# Altium PCB IOBoard2020.PcbDoc (part 2 of 2)
Units mil, origin at the board's own origin, x right, y up, seen from the top; angles counter-clockwise.
Board outline 3010.03 x 3010.03 mil, 4 copper layers (Top Layer, Int1 (PWR), Int2 (GND), Bottom Layer), stack 53.912 mil thick; 153 components, 123 nets, 584 pads, 58 vias.
Unrouted connection lines stored in the file: 328.
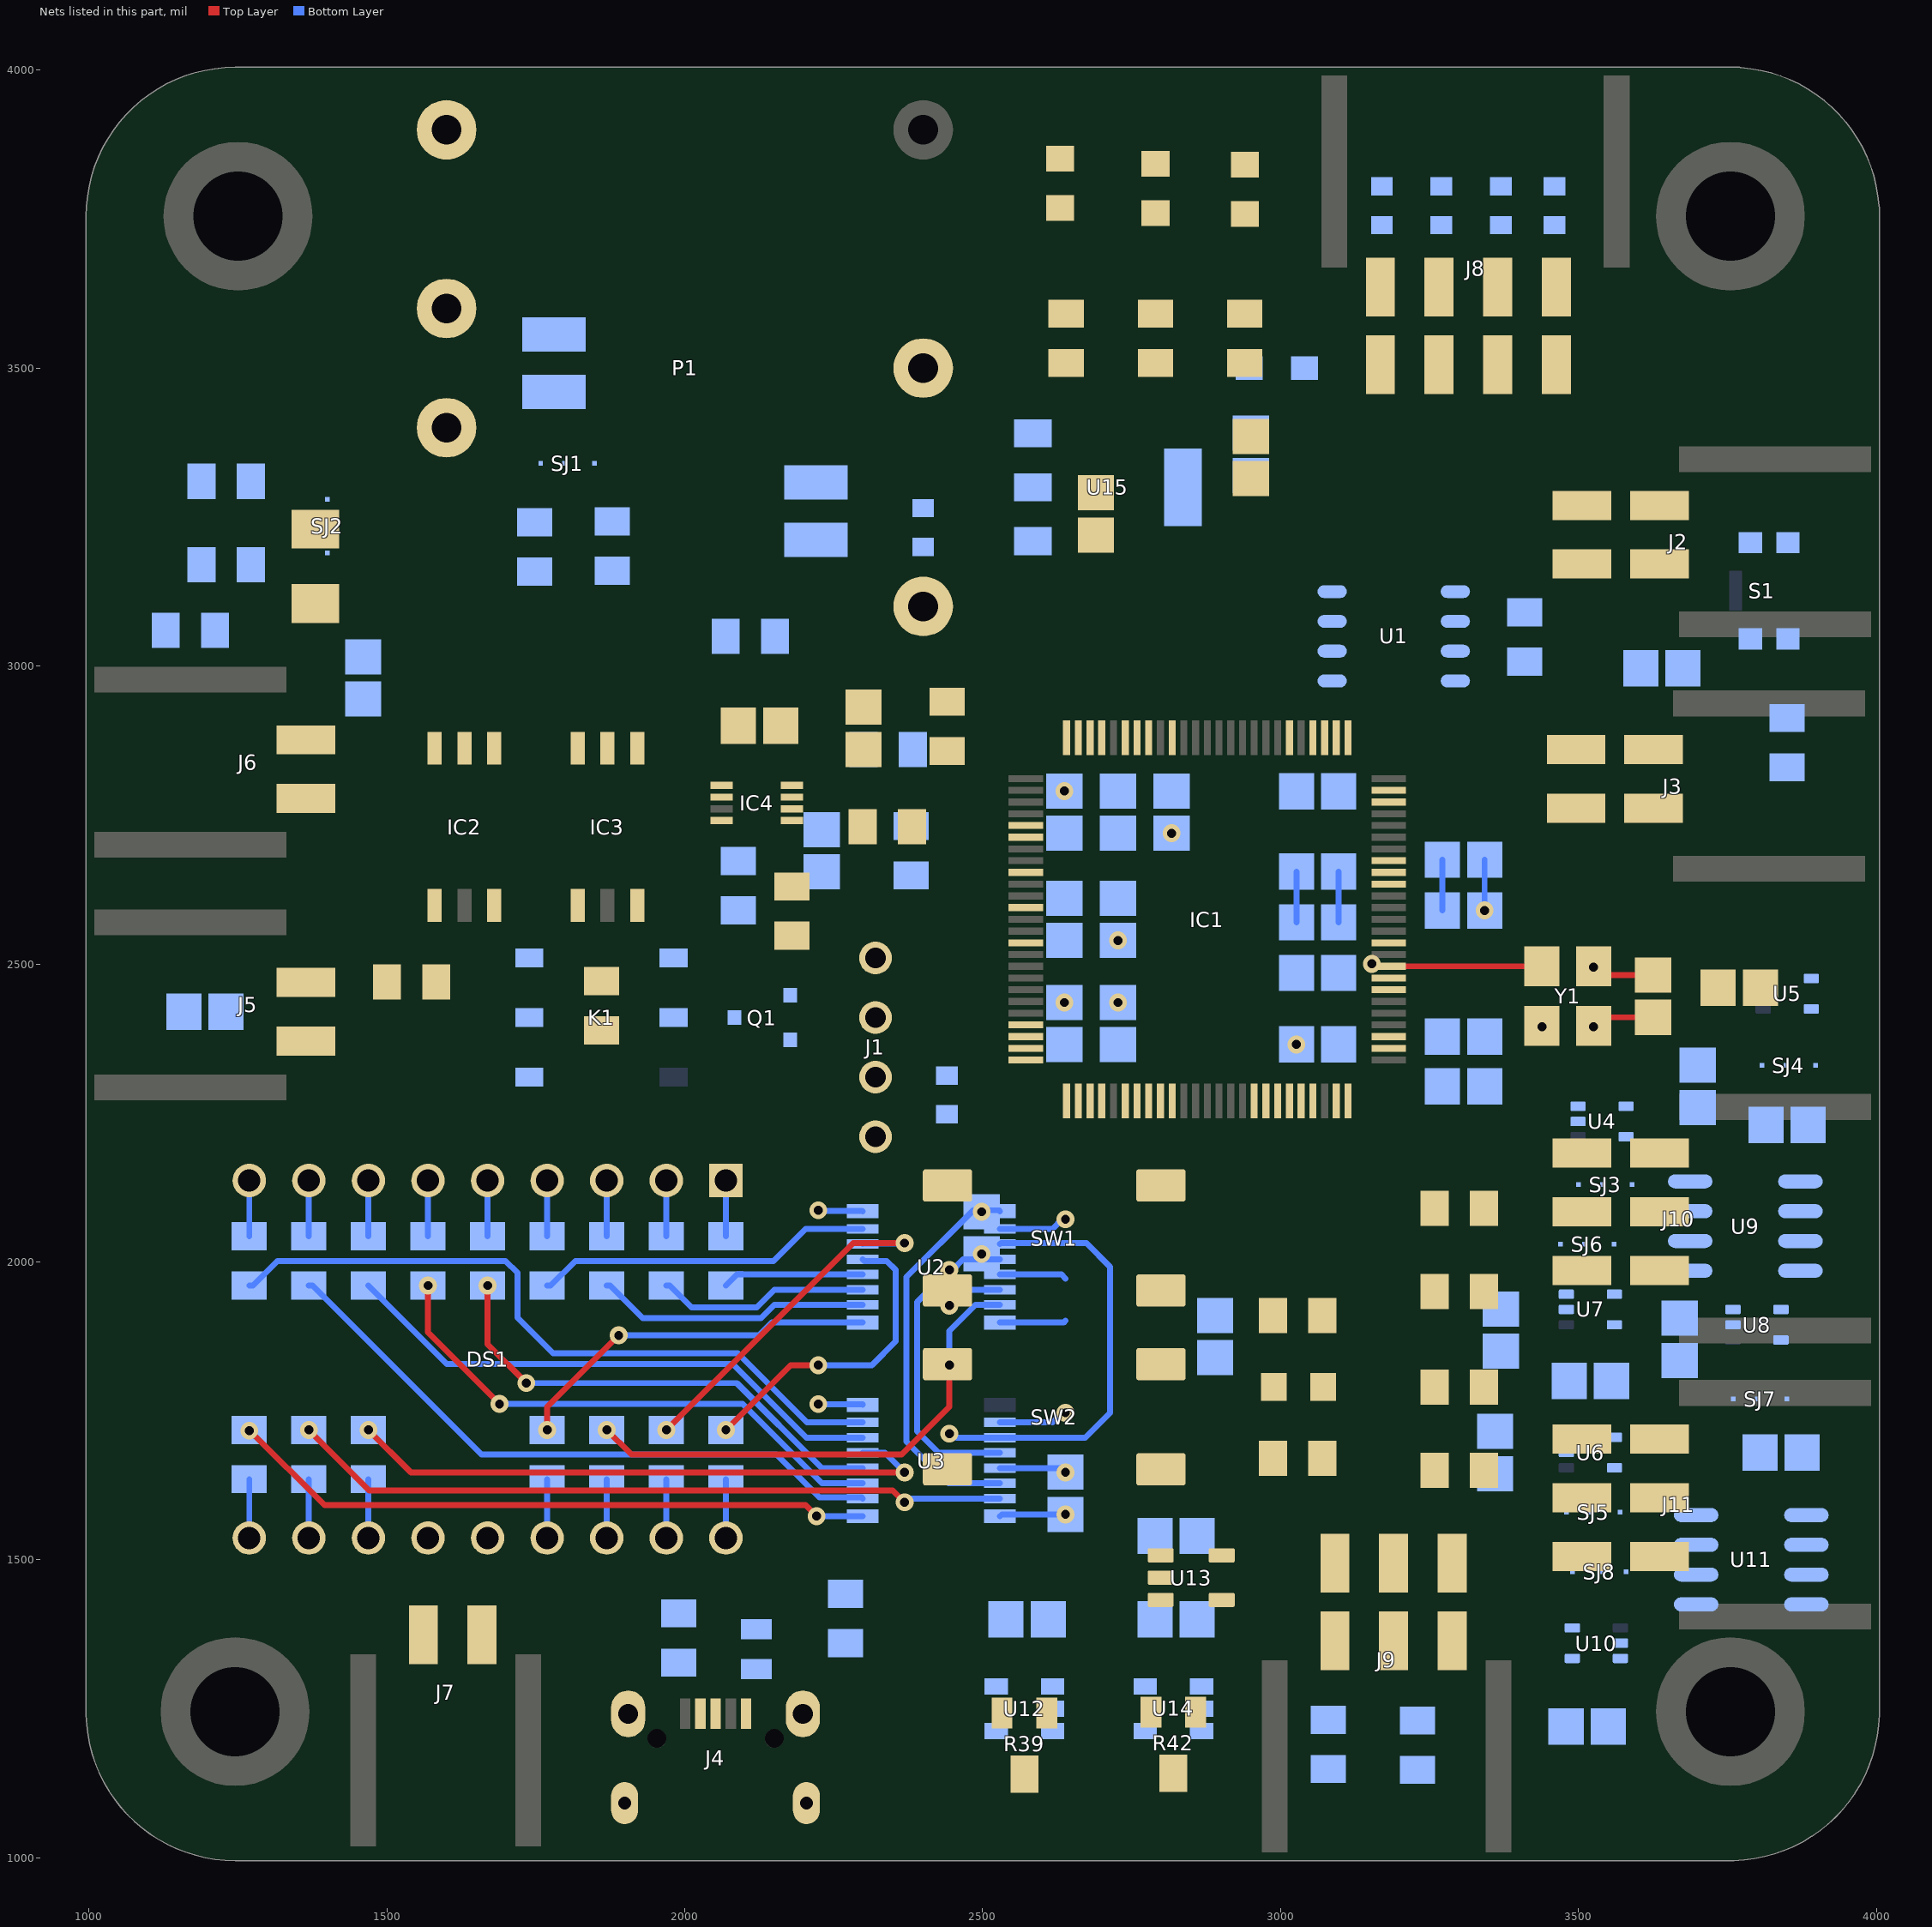
[diagram p4: the nets of this part, all layers, seen from the top]

## Part data (continued)
J4: library part CMP-1502-03252-1, "Micro USB 2.0 Type B Receptacle WR-COM, Horizontal, SMT, with Pegs, High Current at Pin 1 & Pin 5", Contact Resistance=30mOhm, Manufacturer="Wurth Elektronik", Operating Temperature=-40to85degC, Rated Current=3A, Working Voltage=30VAC, Connector Type=MicroUSB2.0TypeB, Datasheet URL=https://katalog.we-online.de/em/datasheet/629105150521.pdf, Gender=Receptacle, Manufacturer URL=http://www.we-online.de, Mounting Technology=SMT, Orientation=Horizontal, Package Reference=629105150521, Packaging=TapeandReel, Part Number=629105150521, Publisher=WurthElektronik
J5 J6 J7: "Nano-Fit Right-Angle Header, Surface Mount, 2.50mm Pitch, Single Row, 2 Circuits, 0.76µm Tin (Sn) Plating, Black, Glow-Wire Capable", Manufacturer=Molex, ComponentLink2Description=Datasheet, ComponentLink2URL=https://www.molex.com/webdocs/datasheets/pdf/en-us/1054301102_PCB_HEADERS.pdf, Mounting Technology="Surface Mount", Orientation=Right, Part Number=1054301102, Pitch="2.5 mm"
J8: "Nano-Fit Right-Angle Header, Surface Mount, 2.50mm Pitch, Dual Row, 8 Circuits, 0.76µm Tin (Sn) Plating, Black, Glow-Wire Capable", Manufacturer=Molex, Part Number=1053141108, ComponentLink2Description=Datasheet, ComponentLink2URL=https://www.molex.com/webdocs/datasheets/pdf/en-us/1054051108_PCB_HEADERS.pdf, Mounting Technology="Surface Mount", Orientation=Right, Pitch=2.5mm
J9 J10 J11: "Nano-Fit Right-Angle Header, Surface Mount, 2.50mm Pitch, Dual Row, 6 Circuits, 0.76µm Tin (Sn) Plating, Black, Glow-Wire Capable", Manufacturer=Molex, ComponentLink2Description=Datasheet, ComponentLink2URL=https://www.molex.com/webdocs/datasheets/pdf/en-us/1054051106_PCB_HEADERS.pdf, Mounting Technology="Surface Mount", Orientation=Right, Part Number=1054051106, Pitch="2.5 mm"
K1: "Relay or Contactor", Manufacturer_Name="Omron Electronics", Mouser Part Number=653-G3VM-101HR1, Arrow Part Number=G3VM-101HR1, Arrow Price/Stock=https://www.arrow.com/en/products/g3vm-101hr1/omron, Datasheet Link=https://componentsearchengine.com/Datasheets/1/G3VM-101HR1.pdf, Height=2.1mm, Manufacturer_Part_Number=G3VM-101HR1, Mouser Price/Stock=https://www.mouser.com/Search/Refine.aspx?Keyword=653-G3VM-101HR1
L1: library part CMP-0220-00025-1, "SMD EMI Suppression Ferrite Bead WE-CBF, Z = 300 Ohm", ComponentLink1Description="Manufacturer Link", ComponentLink1URL=http://www.we-online.com, ComponentLink2Description=Datasheet, ComponentLink2URL=http://www.we-online.de/katalog/media/pdf/742792031.pdf, DatasheetVersion=Dec-2005, Impedance="300 Ohm", PackageDescription="Chip Inductor, 2-Leads, Body 2.0 x 1.2 mm", PackageReference=SMD-0805, PackageVersion=2005
LED1 LED2: library part CMP-62016-000032-1, "LED RED DIFFUSED 0805 SMD", Forward Current=30mA, Forward Voltage=2.6V, Max Operating Temperature=85°C, Min Operating Temperature=-30°C, Reverse Voltage=5V, Test Current=20mA, Depth=1.35mm, Dominant Wavelength=645nm, Length=2.1mm, Lens Style=Diffused, Luminous Intensity=15mcd, Mount="Surface Mount", Number of Elements=1, Number of Pins=2, Packaging="Tape and Reel", Radiation Hardening=No, Viewing Angle=160°
LED3: library part CMP-1426-00008-1, "SMD mono-color Chip LED, WL-SMCW, Blue", Color=Blue, Manufacturer="Wuerth Elektronik", ComponentLink1Description="Manufacturer URL", ComponentLink1URL=http://www.we-online.com, ComponentLink2Description=Datasheet, ComponentLink2URL=http://katalog.we-online.com/led/datasheet/150080BS75000.pdf, PackageReference=0805_A, PartNumber=150080BS75000
LED4: library part CMP-2000-05655-1, "Single Color, 2 V, -30 to 85 degC, 2-Pin SMD (0805), RoHS, Tape and Reel", Emitting Color=YellowGreen, Forward Current=25mA, Forward Voltage=2.4V, Manufacturer=Dialight, Operating Temp Range=-30Cto85C, Operating Temperature Classification=Commercial, Package Description="2-Pin Surface Mount Device, Body 2 x 1.25 mm", Package Reference=0805, Package Type=SMD, Power Dissipation=60W, Reverse Voltage=5V, Test Current (It)=20mA, Chip Material=GaP, Datasheet URL=https://datasheet.ciiva.com/22748/1484480-22748121.pdf, Datasheet Version=10/2008, DELETED=Compliant, Dominant Wave Length=570nm, High Brightness=No, Lens Dimensions=1.4x1.25x0.4mm, Lum Intensity=20mcd, Luminous Intensity=20mcd, Main Category=ChipLED, Manufacturer URL=http://www.dialight.com/, Mounting=SurfaceMount, Mounting Technology=SurfaceMount, Number of  Elements=1, Packaging=TapeandReel, Pin Count=2, Product Depth (mm)=1.25mm, Product Height (mm)=0.7mm, Product Length (mm)=2mm, Rad Hardened=No, Shape Type=Rectangular, Type=Uni-Color, Viewing Angle=140deg
MH1 MH2 MH3 MH4: library part "Mounting Hole", "Mounting Hole for 1/8\"-20 Thread Size, 1-1/8\" Long Black-Oxide Alloy Steel Socket Head Screw", Screw Specs=https://www.mcmaster.com/91251A560/
P1: "DC Converter 2 Output 5V -5V 1.5A, 1.5A 9V - 36V Input", Digi-Key Part Number=811-2180-5-ND, Manufacturer=Murata, Datasheet=https://www.murata.com/products/productdata/8807024656414/bei15.pdf?1583754810000, Model=BEI15-050-Q12N-C
Q1: "MOSFET (N-Channel)", Manufacturer_Name=Toshiba, Mouser Part Number=757-SSM3K339RLF, Arrow Part Number=SSM3K339R,LF, Arrow Price/Stock=https://www.arrow.com/en/products/ssm3k339rlf/toshiba, Datasheet Link=https://www.arrow.com/en/products/ssm3k339rlf/toshiba, Height=0.88mm, Manufacturer_Part_Number=SSM3K339R,LF, Mouser Price/Stock=https://www.mouser.co.uk/ProductDetail/Toshiba/SSM3K339RLF?qs=vPP9GyyTAo2h4IM%252B%252BLvR%252BA%3D%3D
R1 R2 R4 R5 R35 R37 R40 R41 R43: library part CMP-009-00001-4, "Chip Resistor, 10k Ohm, +/- 1%, 125 mW, -55 to 155 degC, 0805 (2012 Metric)", Case Code (Imperial)=0805, Case Code (Metric)=2012, Manufacturer=Yageo, Manufacturer Part Number=RC0805FR-0710KL, Max Operating Temperature=155°C, Max Power Dissipation=125mW, Min Operating Temperature=-55°C, Package Quantity=1, Resistance=10kR, Supplier Part Number 1=311-10.0KCRCT-ND, Temperature Coefficient=100ppm/°C, Tolerance=1%, Voltage Rating=150V, Case/Package=0805, Category="Chip SMD Resistors", ComponentLink1Description=https://datasheet.ciiva.com/11808/0900766b8106beab-11808151.pdf?src-supplier=RSComponents, ComponentLink1URL=https://datasheet.ciiva.com/11808/0900766b8106beab-11808151.pdf?src-supplier=RSComponents, ComponentLink2Description=https://datasheet.ciiva.com/12669/rc0805-12669688.pdf?src-supplier=Mouser, ComponentLink2URL=https://datasheet.ciiva.com/12669/rc0805-12669688.pdf?src-supplier=Mouser, ComponentLink3Description=https://datasheet.ciiva.com/46447/444164-46447563.pdf?src-supplier=Element14, ComponentLink3URL=https://datasheet.ciiva.com/46447/444164-46447563.pdf?src-supplier=Element14, ComponentLink4Description=https://datasheet.ciiva.com/2456/pyu-r-int-thick-7-2456972.pdf?src-supplier=Digi-Key, ComponentLink4URL=https://datasheet.ciiva.com/2456/pyu-r-int-thick-7-2456972.pdf?src-supplier=Digi-Key, ComponentLink5Description=https://datasheet.ciiva.com/2456/pyu-r-int-thick-7-2456973.pdf?src-supplier=Digi-Key, ComponentLink5URL=https://datasheet.ciiva.com/2456/pyu-r-int-thick-7-2456973.pdf?src-supplier=Digi-Key, ComponentLink6Description=https://datasheet.ciiva.com/2456/pyu-r-int-thick-7-2456974.pdf?src-supplier=Digi-Key, ComponentLink6URL=https://datasheet.ciiva.com/2456/pyu-r-int-thick-7-2456974.pdf?src-supplier=Digi-Key, ComponentLink7Description=https://datasheet.ciiva.com/16747/rc0805-16747087.pdf?src-supplier=Future+Electronics, ComponentLink7URL=https://datasheet.ciiva.com/16747/rc0805-16747087.pdf?src-supplier=Future+Electronics, Composition="Thick Film", Depth=1.25mm, Features="Moisture Resistant", Height=0.024inch, Lead Free="Lead Free", Length=2mm, Military Standard=Not, Number of Terminations=2, Packaging="Tape and Reel", Power Rating=125mW, Pricing 1="1=0.10000, 10=0.03900, 100=0.01570, 1000=0.00705, 2500=0.00612 (USD)", REACH SVHC=Unknown, RoHS=Yes, Stock 1=19063106, Supplier 1=Digi-Key, Termination=SMD/SMT, Width=0.049inch
R3: library part CMP-009-00001-4, "Chip Resistor, 120 Ohm, +/- 1%, 125 mW, -55 to 155 degC, 0805 (2012 Metric)", Case Code (Imperial)=0805, Case Code (Metric)=2012, Manufacturer="TE Connectivity", Manufacturer Part Number=CRGCQ0805F120R, Max Operating Temperature=155°C, Max Power Dissipation=125mW, Min Operating Temperature=-55°C, Resistance=120R, Supplier Part Number 1=A129738CT-ND, Temperature Coefficient=100ppm/°C, Tolerance=1%, Case/Package=0805, ComponentLink1Description=https://www.te.com/commerce/DocumentDelivery/DDEController?Action=srchrtrv&amp;DocNm=1773204-3&amp;DocType=DS&amp;DocLang=English&src-supplier=Digi-Key, ComponentLink1URL=https://www.te.com/commerce/DocumentDelivery/DDEController?Action=srchrtrv&amp;DocNm=1773204-3&amp;DocType=DS&amp;DocLang=English&src-supplier=Digi-Key, ComponentLink2Description=https://4donline.ihs.com/images/VipMasterIC/IC/TYEL/TYEL-S-A0004929575/TYEL-S-A0004929575-1.pdf?hkey=52A5661711E402568146F3353EA87419&src-supplier=Element14, ComponentLink2URL=https://4donline.ihs.com/images/VipMasterIC/IC/TYEL/TYEL-S-A0004929575/TYEL-S-A0004929575-1.pdf?hkey=52A5661711E402568146F3353EA87419&src-supplier=Element14, ComponentLink3Description=https://4donline.ihs.com/images/VipMasterIC/IC/TYEL/TYEL-S-A0004929575/TYEL-S-A0004929575-1.pdf?hkey=52A5661711E402568146F3353EA87419&src-supplier=Newark, ComponentLink3URL=https://4donline.ihs.com/images/VipMasterIC/IC/TYEL/TYEL-S-A0004929575/TYEL-S-A0004929575-1.pdf?hkey=52A5661711E402568146F3353EA87419&src-supplier=Newark, ComponentLink4Description=https://4donline.ihs.com/images/VipMasterIC/IC/TYEL/TYEL-S-A0004929575/TYEL-S-A0004929575-1.pdf?hkey=52A5661711E402568146F3353EA87419&src-supplier=Farnell, ComponentLink4URL=https://4donline.ihs.com/images/VipMasterIC/IC/TYEL/TYEL-S-A0004929575/TYEL-S-A0004929575-1.pdf?hkey=52A5661711E402568146F3353EA87419&src-supplier=Farnell, ComponentLink5Description=http://datasheet.octopart.com/CRGCQ0805F120R-TE-Connectivity-datasheet-114679081.pdf?src-supplier=Master+Electronics, ComponentLink5URL=http://datasheet.octopart.com/CRGCQ0805F120R-TE-Connectivity-datasheet-114679081.pdf?src-supplier=Master+Electronics, ComponentLink6Description=http://sigma.octopart.com/114695583/technical_drawing/TE-Connectivity-CRGCQ0805F120R.pdf?src-supplier=Sager+Electronics, ComponentLink6URL=http://sigma.octopart.com/114695583/technical_drawing/TE-Connectivity-CRGCQ0805F120R.pdf?src-supplier=Sager+Electronics, Composition="Thick Film", Features="Moisture Resistant", Number of Terminations=2, Packaging="Tape and Reel", Pricing 1="1=0.10000, 10=0.04700, 100=0.01890, 1000=0.00851, 2500=0.00738 (USD)", Stock 1=52253, Supplier 1=Digi-Key
R6 R47 R48: library part CMP-009-00001-4, "Chip Resistor, 100k Ohm, +/- 1%, 125 mW, -55 to 155 degC, 0805 (2012 Metric)", Case Code (Imperial)=0805, Case Code (Metric)=2012, Manufacturer=Yageo, Manufacturer Part Number=RC0805FR-07100KL, Max Operating Temperature=155°C, Max Power Dissipation=125mW, Min Operating Temperature=-55°C, Package Quantity=1, Resistance=100kR, Supplier Part Number 1=311-100KCRCT-ND, Temperature Coefficient=100ppm/°C, Tolerance=1%, Voltage Rating=150V, Case/Package=0805, Category="Chip SMD Resistors", ComponentLink1Description=https://datasheet.ciiva.com/11808/0900766b8106beab-11808858.pdf?src-supplier=RSComponents, ComponentLink1URL=https://datasheet.ciiva.com/11808/0900766b8106beab-11808858.pdf?src-supplier=RSComponents, ComponentLink2Description=https://datasheet.ciiva.com/2457/pyu-r-int-thick-7-2457017.pdf?src-supplier=Digi-Key, ComponentLink2URL=https://datasheet.ciiva.com/2457/pyu-r-int-thick-7-2457017.pdf?src-supplier=Digi-Key, ComponentLink3Description=https://datasheet.ciiva.com/12667/rc0805-12667001.pdf?src-supplier=Mouser, ComponentLink3URL=https://datasheet.ciiva.com/12667/rc0805-12667001.pdf?src-supplier=Mouser, ComponentLink4Description=https://datasheet.ciiva.com/2457/pyu-r-int-thick-7-2457018.pdf?src-supplier=Digi-Key, ComponentLink4URL=https://datasheet.ciiva.com/2457/pyu-r-int-thick-7-2457018.pdf?src-supplier=Digi-Key, ComponentLink5Description=https://datasheet.ciiva.com/16747/rc0805-16747226.pdf?src-supplier=Future+Electronics, ComponentLink5URL=https://datasheet.ciiva.com/16747/rc0805-16747226.pdf?src-supplier=Future+Electronics, ComponentLink6Description=https://datasheet.ciiva.com/2457/pyu-r-int-thick-7-2457019.pdf?src-supplier=Digi-Key, ComponentLink6URL=https://datasheet.ciiva.com/2457/pyu-r-int-thick-7-2457019.pdf?src-supplier=Digi-Key, ComponentLink7Description=https://datasheet.ciiva.com/7660/38627-7660796.pdf?src-supplier=Element14, ComponentLink7URL=https://datasheet.ciiva.com/7660/38627-7660796.pdf?src-supplier=Element14, ComponentLink8Description=https://datasheet.ciiva.com/7941/1697719-7941676.pdf?src-supplier=Element14, ComponentLink8URL=https://datasheet.ciiva.com/7941/1697719-7941676.pdf?src-supplier=Element14, ComponentLink9Description=https://datasheet.ciiva.com/7941/1686128-7941677.pdf?src-supplier=Element14, ComponentLink9URL=https://datasheet.ciiva.com/7941/1686128-7941677.pdf?src-supplier=Element14, ComponentLink10Description=https://datasheet.ciiva.com/7941/1697719-7941678.pdf?src-supplier=Element14, ComponentLink10URL=https://datasheet.ciiva.com/7941/1697719-7941678.pdf?src-supplier=Element14, ComponentLink11Description=https://datasheet.ciiva.com/22747/444164-22747534.pdf?src-supplier=Element14, ComponentLink11URL=https://datasheet.ciiva.com/22747/444164-22747534.pdf?src-supplier=Element14, Composition="Thick Film", Depth=1.25mm, Features="Moisture Resistant", Height=0.024inch, Lead Free="Lead Free", Lead Pitch=0.4mm, Length=2mm, Military Standard=Not, Number of Pins=2, Number of Terminations=2, Packaging="Tape and Reel", Power Rating=125mW, Pricing 1="1=0.10000, 10=0.03900, 100=0.01570, 1000=0.00705, 2500=0.00612 (USD)", REACH SVHC=Unknown, RoHS=Yes, Stock 1=3716407, Supplier 1=Digi-Key, Termination=SMD/SMT, Voltage Rating (DC)=150V, Width=0.049inch
R7 R8 R9 R10 R11 R12 R13 R14 R15 R16 R17 R18 R19 R20 R21 R22: library part CMP-009-00001-4, "Chip Resistor, 240 Ohm, +/- 1%, 125 mW, -55 to 155 degC, 0805 (2012 Metric)", Case Code (Imperial)=0805, Case Code (Metric)=2012, Manufacturer=Panasonic, Manufacturer Part Number=ERA-6AEB241V, Max Operating Temperature=155°C, Max Power Dissipation=125mW, Min Operating Temperature=-55°C, Package Quantity=1, Resistance=240R, Supplier Part Number 1=P240DACT-ND, Temperature Coefficient=25ppm/°C, Tolerance=0.1%, Voltage Rating=100V, Case/Package=0805, Category="Chip SMD Resistors", ComponentLink1Description=https://datasheet.ciiva.com/29184/452815-da-01-en-widerstand-0805-era-29184072.pdf?src-supplier=Conrad, ComponentLink1URL=https://datasheet.ciiva.com/29184/452815-da-01-en-widerstand-0805-era-29184072.pdf?src-supplier=Conrad, ComponentLink2Description=https://datasheet.ciiva.com/5915/485442-5915205.pdf?src-supplier=Farnell, ComponentLink2URL=https://datasheet.ciiva.com/5915/485442-5915205.pdf?src-supplier=Farnell, ComponentLink3Description=https://datasheet.ciiva.com/43455/485442-43455397.pdf?src-supplier=Farnell, ComponentLink3URL=https://datasheet.ciiva.com/43455/485442-43455397.pdf?src-supplier=Farnell, ComponentLink4Description=https://datasheet.ciiva.com/30154/54aoa0000ce26-30154486.pdf?src-supplier=Onlinecomponents.com, ComponentLink4URL=https://datasheet.ciiva.com/30154/54aoa0000ce26-30154486.pdf?src-supplier=Onlinecomponents.com, ComponentLink5Description=https://datasheet.ciiva.com/48425/era-eng-tds-48425782.pdf?src-supplier=Distrelec, ComponentLink5URL=https://datasheet.ciiva.com/48425/era-eng-tds-48425782.pdf?src-supplier=Distrelec, ComponentLink6Description=https://datasheet.ciiva.com/5915/485442-5915208.pdf?src-supplier=Farnell, ComponentLink6URL=https://datasheet.ciiva.com/5915/485442-5915208.pdf?src-supplier=Farnell, ComponentLink7Description=https://datasheet.ciiva.com/46389/485442-46389960.pdf?src-supplier=Element14, ComponentLink7URL=https://datasheet.ciiva.com/46389/485442-46389960.pdf?src-supplier=Element14, ComponentLink8Description=https://datasheet.ciiva.com/46389/485442-46389961.pdf?src-supplier=Element14, ComponentLink8URL=https://datasheet.ciiva.com/46389/485442-46389961.pdf?src-supplier=Element14, ComponentLink9Description=https://datasheet.ciiva.com/48536/era-eng-tds-48536634.pdf?src-supplier=Distrelec, ComponentLink9URL=https://datasheet.ciiva.com/48536/era-eng-tds-48536634.pdf?src-supplier=Distrelec, ComponentLink10Description=https://datasheet.ciiva.com/22739/485442-22739483.pdf?src-supplier=Element14, ComponentLink10URL=https://datasheet.ciiva.com/22739/485442-22739483.pdf?src-supplier=Element14, ComponentLink11Description=https://datasheet.ciiva.com/17206/aoa0000ce26-17206700.pdf?src-supplier=Avnet+Europe, ComponentLink11URL=https://datasheet.ciiva.com/17206/aoa0000ce26-17206700.pdf?src-supplier=Avnet+Europe, ComponentLink12Description=https://datasheet.ciiva.com/43457/485442-43457869.pdf?src-supplier=Farnell, ComponentLink12URL=https://datasheet.ciiva.com/43457/485442-43457869.pdf?src-supplier=Farnell, Composition="Thin Film", Contact Plating=Tin, Depth=1.25mm, Features="Automotive AEC-Q200", Height=0.5mm, Lead Free="Lead Free", Length=2mm, Military Standard=Not, Mount="Surface Mount", Number of Pins=2, Number of Terminations=2, Packaging="Tape and Reel", Power Rating=125mW, Pricing 1="1=0.33000, 10=0.27800, 100=0.10850, 1000=0.04541, 2500=0.04163 (USD)", Radiation Hardening=No, REACH SVHC="No SVHC", RoHS=Yes, Stock 1=12724, Supplier 1=Digi-Key, Termination=Solder, Voltage Rating (DC)=100V, Width=1.25mm
R23 R26 R28: library part CMP-009-00001-4, "Chip Resistor, 1.2k Ohm, +/- 1%, 125 mW, -55 to 155 degC, 0805 (2012 Metric)", Case/Package=0805, Max Operating Temperature=155°C, Min Operating Temperature=-55°C, Power=125mW, Tolerance=1%, Voltage Rating=150V, Mounting Technology=SM, Pins=2, RoHS Compliant=True
R24: library part CMP-009-00001-4, "Chip Resistor, 240 Ohm, +/- 1%, 125 mW, -55 to 155 degC, 0805 (2012 Metric)", Case/Package=0805, Max Operating Temperature=155°C, Min Operating Temperature=-55°C, Power=125mW, Tolerance=1%, Voltage Rating=150V, Mounting Technology=SM, Pins=2, RoHS Compliant=True
R25 R29 R30: library part CMP-009-00001-4, "Chip Resistor, 10k Ohm, +/- 1%, 125 mW, -55 to 155 degC, 0805 (2012 Metric)", Case/Package=0805, Max Operating Temperature=155°C, Min Operating Temperature=-55°C, Power=125mW, Tolerance=1%, Voltage Rating=150V, Mounting Technology=SM, Pins=2, RoHS Compliant=True
R27: library part CMP-009-00001-4, "Chip Resistor, 165 Ohm, +/- 1%, 125 mW, -55 to 155 degC, 0805 (2012 Metric)", Case/Package=0805, Max Operating Temperature=155°C, Min Operating Temperature=-55°C, Power=125mW, Tolerance=1%, Voltage Rating=150V, Mounting Technology=SM, Pins=2, RoHS Compliant=True
R31: library part CMP-009-00001-4, "Chip Resistor,1.5k Ohm, +/- 1%, 125 mW, -55 to 155 degC, 0805 (2012 Metric)", Case/Package=0805, Max Operating Temperature=155°C, Min Operating Temperature=-55°C, Power=125mW, Tolerance=1%, Voltage Rating=150V, Mounting Technology=SM, Pins=2, RoHS Compliant=True
R32: library part CMP-1013-00736-1, "100K 0.125W 1% 0805 (2012 Metric)  SMD", Case-EIA=0805, Case-Metric=2012, Power="0.125 W", Tolerance="1 %", Technology=SMT
R33: library part CMP-009-00001-4, "Chip Resistor, 22 Ohm, +/- 1%, 125 mW, -55 to 155 degC, 0805 (2012 Metric)", Case/Package=0805, Max Operating Temperature=155°C, Min Operating Temperature=-55°C, Power=125mW, Tolerance=1%, Voltage Rating=150V, Mounting Technology=SM, Pins=2, RoHS Compliant=True
R34 R36: library part CMP-009-00001-4, "Chip Resistor, 10k Ohm, +/- 1%, 125 mW, -55 to 155 degC, 0805 (2012 Metric)", Case Code (Imperial)=0805, Case Code (Metric)=2012, Manufacturer=Panasonic, Manufacturer Part Number=ERA-6AEB4991V, Max Operating Temperature=155°C, Max Power Dissipation=125mW, Min Operating Temperature=-55°C, Package Quantity=1, Resistance=4.99kR, Resistor Type="Thin Film,Metal Film", Supplier Part Number 1=P4.99KDACT-ND, Temperature Coefficient=25ppm/°C, Tolerance=0.1%, Voltage Rating=200V, Voltage Rating (DC)=100V, Case/Package=0805, Category="Chip SMD Resistors", ComponentLink1Description=https://datasheet.ciiva.com/11811/0900766b80eb1d8c-11811290.pdf?src-supplier=RSComponents, ComponentLink1URL=https://datasheet.ciiva.com/11811/0900766b80eb1d8c-11811290.pdf?src-supplier=RSComponents, ComponentLink2Description=https://datasheet.ciiva.com/26335/459226-da-01-en-widerstand-0805-era-26335808.pdf?src-supplier=Conrad, ComponentLink2URL=https://datasheet.ciiva.com/26335/459226-da-01-en-widerstand-0805-era-26335808.pdf?src-supplier=Conrad, ComponentLink3Description=https://datasheet.ciiva.com/43457/485442-43457400.pdf?src-supplier=Farnell, ComponentLink3URL=https://datasheet.ciiva.com/43457/485442-43457400.pdf?src-supplier=Farnell, ComponentLink4Description=https://datasheet.ciiva.com/24124/aoa0000ce26-197354-24124201.pdf?src-supplier=Mouser, ComponentLink4URL=https://datasheet.ciiva.com/24124/aoa0000ce26-197354-24124201.pdf?src-supplier=Mouser, ComponentLink5Description=https://datasheet.ciiva.com/6064/485442-6064426.pdf?src-supplier=Farnell, ComponentLink5URL=https://datasheet.ciiva.com/6064/485442-6064426.pdf?src-supplier=Farnell, ComponentLink6Description=https://datasheet.ciiva.com/6064/485442-6064427.pdf?src-supplier=Farnell, ComponentLink6URL=https://datasheet.ciiva.com/6064/485442-6064427.pdf?src-supplier=Farnell, ComponentLink7Description=https://datasheet.ciiva.com/17213/aoa0000ce26-17213069.pdf?src-supplier=Avnet+Europe, ComponentLink7URL=https://datasheet.ciiva.com/17213/aoa0000ce26-17213069.pdf?src-supplier=Avnet+Europe, ComponentLink8Description=https://datasheet.ciiva.com/46388/485442-46388221.pdf?src-supplier=Element14, ComponentLink8URL=https://datasheet.ciiva.com/46388/485442-46388221.pdf?src-supplier=Element14, ComponentLink9Description=https://datasheet.ciiva.com/22740/1776116-22740207.pdf?src-supplier=Element14, ComponentLink9URL=https://datasheet.ciiva.com/22740/1776116-22740207.pdf?src-supplier=Element14, ComponentLink10Description=https://datasheet.ciiva.com/46376/485442-46376911.pdf?src-supplier=Element14, ComponentLink10URL=https://datasheet.ciiva.com/46376/485442-46376911.pdf?src-supplier=Element14, Contact Plating=Tin, Depth=1.25mm, Features="Automotive AEC-Q200", Height=0.5mm, Lead Free="Lead Free", Length=2mm, Military Standard=Not, Mount="Surface Mount", Number of Pins=2, Number of Terminations=2, Packaging="Tape and Reel", Power Rating=125mW, Pricing 1="1=0.33000, 10=0.27800, 100=0.10850, 1000=0.04541, 2500=0.04163 (USD)", Radiation Hardening=No, REACH SVHC="No SVHC", RoHS=Yes, Stock 1=19262, Supplier 1=Digi-Key, Termination=SMD/SMT, Weight=0.000194oz, Width=1.25mm
R38: library part CMP-009-00001-4, "Chip Resistor, 10k Ohm, +/- 1%, 125 mW, -55 to 155 degC, 0805 (2012 Metric)", Case Code (Imperial)=0805, Case Code (Metric)=2012, Manufacturer=Panasonic, Manufacturer Part Number=ERA-6AEB750V, Max Operating Temperature=155°C, Max Power Dissipation=125mW, Min Operating Temperature=-55°C, Package Quantity=5000, Resistance=75R, Resistor Type="Thin Film", Supplier Part Number 1=P75DACT-ND, Temperature Coefficient=25ppm/°C, Tolerance=0.1%, Voltage Rating=100V, Case/Package=0805, Category="Chip SMD Resistors", ComponentLink1Description=https://datasheet.ciiva.com/29184/452659-da-01-en-widerstand-0805-era-29184043.pdf?src-supplier=Conrad, ComponentLink1URL=https://datasheet.ciiva.com/29184/452659-da-01-en-widerstand-0805-era-29184043.pdf?src-supplier=Conrad, ComponentLink2Description=https://datasheet.ciiva.com/5917/485442-5917734.pdf?src-supplier=Farnell, ComponentLink2URL=https://datasheet.ciiva.com/5917/485442-5917734.pdf?src-supplier=Farnell, ComponentLink3Description=https://datasheet.ciiva.com/48536/era-eng-tds-48536758.pdf?src-supplier=Distrelec, ComponentLink3URL=https://datasheet.ciiva.com/48536/era-eng-tds-48536758.pdf?src-supplier=Distrelec, ComponentLink4Description=https://datasheet.ciiva.com/5917/485442-5917735.pdf?src-supplier=Farnell, ComponentLink4URL=https://datasheet.ciiva.com/5917/485442-5917735.pdf?src-supplier=Farnell, ComponentLink5Description=https://datasheet.ciiva.com/5917/485442-5917736.pdf?src-supplier=Farnell, ComponentLink5URL=https://datasheet.ciiva.com/5917/485442-5917736.pdf?src-supplier=Farnell, ComponentLink6Description=https://datasheet.ciiva.com/7710/485442-7710664.pdf?src-supplier=Element14, ComponentLink6URL=https://datasheet.ciiva.com/7710/485442-7710664.pdf?src-supplier=Element14, ComponentLink7Description=https://datasheet.ciiva.com/7710/485442-7710665.pdf?src-supplier=Element14, ComponentLink7URL=https://datasheet.ciiva.com/7710/485442-7710665.pdf?src-supplier=Element14, ComponentLink8Description=https://datasheet.ciiva.com/17208/aoa0000ce26-17208633.pdf?src-supplier=Avnet+Europe, ComponentLink8URL=https://datasheet.ciiva.com/17208/aoa0000ce26-17208633.pdf?src-supplier=Avnet+Europe, ComponentLink9Description=https://datasheet.ciiva.com/9187/aoa0000ce26-9187722.pdf?src-supplier=Avnet, ComponentLink9URL=https://datasheet.ciiva.com/9187/aoa0000ce26-9187722.pdf?src-supplier=Avnet, ComponentLink10Description=https://datasheet.ciiva.com/48425/era-eng-tds-48425627.pdf?src-supplier=Distrelec, ComponentLink10URL=https://datasheet.ciiva.com/48425/era-eng-tds-48425627.pdf?src-supplier=Distrelec, ComponentLink11Description=https://datasheet.ciiva.com/30147/54aoa0000ce26-30147167.pdf?src-supplier=Onlinecomponents.com, ComponentLink11URL=https://datasheet.ciiva.com/30147/54aoa0000ce26-30147167.pdf?src-supplier=Onlinecomponents.com, Contact Plating=Tin, Depth=1.25mm, Height=0.024inch, Lead Free="Lead Free", Length=2mm, Military Standard=Not, Mount="Surface Mount", Number of Pins=2, Number of Terminations=2, Packaging="Tape and Reel", Power Rating=125mW, Pricing 1="1=0.33000, 10=0.27800, 100=0.10850, 1000=0.04541, 2500=0.04163 (USD)", Radiation Hardening=No, REACH SVHC=Yes, RoHS=Yes, Stock 1=28395, Supplier 1=Digi-Key, Termination=SMD/SMT, Voltage Rating (DC)=100V, Width=0.049inch